# Altium PCB Stabilizer.PCBDOC (part 5 of 8) (continued)
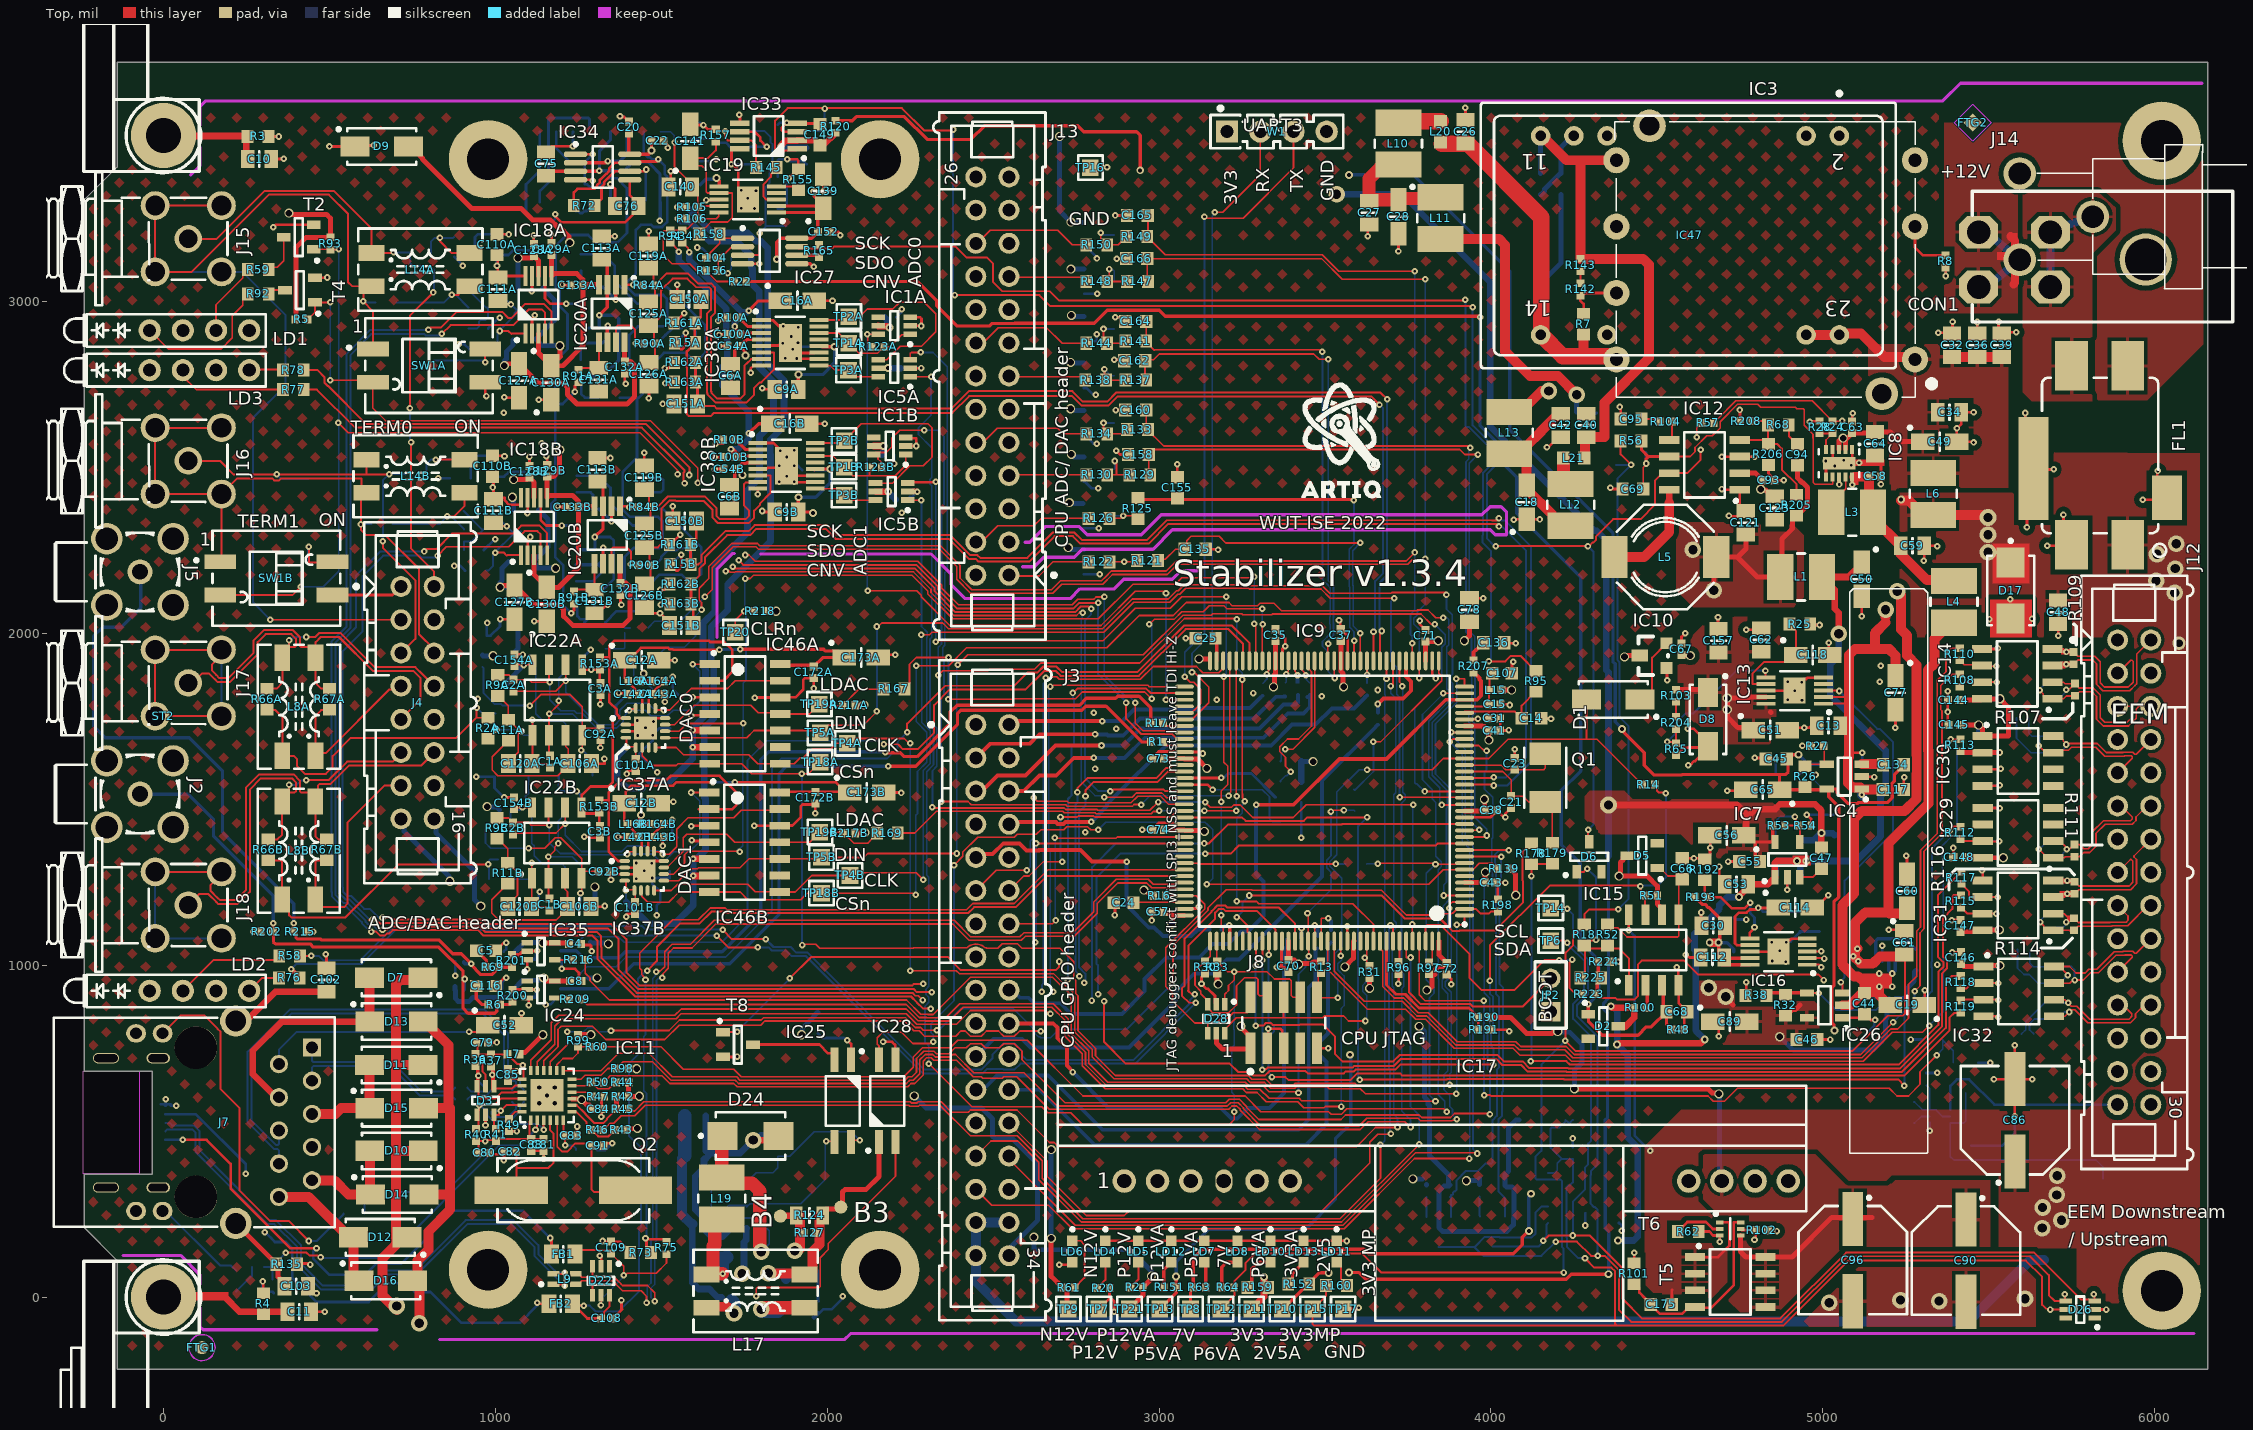
[diagram p0: Top view]
## Nets (pads, with @x,y where several pads share a name; then routed paths per layer and width w, separated by ;. In a path a pad name is that pad's centre, name@x,y a point inside that pad or via, vN(x,y) a via of type N, cw(c..) or ccw(c..) an arc to the next point about the centre after c; other vN are vias at no path point) (continued)
  L3 w10: v1(1495,3243) 1494.15,3242.15 1494.15,3219.78 1508.13,3205.8 1768.14,3205.8 1789.13,3184.81 1800.14,3184.81 1801.49,3186.16 1804.22,3186.16 1814.85,3196.78 1917.69,3196.78 1959.19,3155.28 v1(1959.19,3105)
  Bot w10: RN4.5@1346.86,3511.38 1346.86,3486.43 1313.59,3453.16 v1(1313.59,3393.92) 1388.64,3393.92 1414.9,3420.19 1460.06,3420.19 1470.65,3409.6 1496.03,3384.22 1496.03,3299.62 RN4.1@1496.86,3298.79 1496.86,3247.48 1495,3245.62 v1(1495,3243)
NetC76_2: C76.2 IC34.5 RN3.3 RN3.5 | length 758
  Top w8: v1(1180,3263) 1180,3257.45 1198.35,3239.1 1391.58,3239.1 1431.32,3278.83 C76.2@1431.32,3287.53 1431.32,3293.67 1405.13,3319.85 IC34.5@1405.13,3366.7
  Bot w8: RN3.5@1133.89,3511.38 1133.89,3394.09 1092.46,3352.67 1092.46,3262.39 1111.85,3243 1174.24,3243 1180,3248.76 v1(1180,3263)
NetC82_2: C82.2 IC11.4 Q2.2 | length 374.7
  Top w6: C82.2@1063.01,438.16 1063.01,389 ; Q2.2@1067.92,316.51 1063.01,321.41 1063.01,389 ; IC11.4@1165.33,532.82 1165.33,502.67 1175.51,492.49 1175.51,405.25 1159.25,389 1063.01,389
NetC83_2: C83.2 C87.2 IC11.6 | length 120.9
  Top w6: IC11.6@1204.7,532.82 1204.7,491.59 C83.2@1210.28,486 v1(1210.28,457.28)
  L3 w6: v1@1209,456 v1(1210.28,457.28)
  Bot w6: v1(1210.28,457.28) 1232.72,457.28 1243.5,446.5 C87.2@1243.5,443
NetC91_2: C91.2 IC11.5 Q2.1 | length 494.3
  Top w6: IC11.5@1185.01,532.82 1186.51,531.33 1186.51,453.26 1201.61,438.16 1216.39,438.16 1241.23,463 1289.94,463 C91.2@1289.94,456 1289.94,324 1297.43,316.51 Q2.1@1441.93,316.51
NetC94_1: C94.1 R68.2 | length 69.1
  Top w6: R68.2@4897.5,2628 4897.5,2594.52 4922.02,2570 C94.1@4923,2570
NetC95_2: C95.2 R104.1 | length 58.1
  Top w6: C95.2@4453.52,2645.33 4500.79,2645.33 R104.1@4508.46,2637.65
NetC102_1: C102.1 C103.1 J7.S1 J7.S2 R135.2 | length 1173.1
  Top w15: J7.S2@217.87,221.99 345.5,94.36 345.5,61.06 C103.1@373.57,33
  Top w20: J7.S1@217.87,831.84 249.27,831.84 337.44,920.01 C102.1@491.1,920.01
  L3 w15: J7.S2@217.87,221.99 J7.S1@217.87,831.84
NetC104_1: C104.1 IC27.1 R158.1 | length 162.6
  Top w5: C104.1@1635.59,3130.9 1635.59,3134.77 1676.39,3175.57 R158.1@1676.39,3202.85 1688.76,3190.48 IC27.1@1745.05,3190.48
NetC104_2: C104.2 IC27.2 R156.2 | length 126.9
  Top w5: R156.2@1671.81,3092.43 1671.81,3130.11 C104.2@1671.02,3130.9 1684.87,3144.75 1692.43,3144.75 1712.57,3164.89 IC27.2@1745.05,3164.89
NetC105_2: C105.2 IC17.2 L17.3 | length 1694.5
  Top w40: v5@1803.26,-31.78 L17.3@1931.64,-31.78
  L3 w40: v5@1801,-37.09 1902.91,-139 2617.33,-139 2995.19,238.86 IC17.2@2995.19,349.57
  Bot w40: v5(1800.91,-37) 1800.91,-42.99 1851.31,-42.99 1853.94,-40.35 C105.2@1853.94,-38
NetC106A_2: C106A.2 IC22A.3 R11A.2 | length 452.4
  Top w5: R11A.2@1039.21,1676.49 990.61,1627.89 990.61,1587.96 1007.41,1571.16 1188.28,1571.16 1216.88,1599.76 1219.33,1599.76 C106A.2@1219.33,1607.21 1219.33,1651.62 1211.85,1659.1 IC22A.3@1211.85,1692.84
NetC106B_2: C106B.2 IC22B.3 R11B.2 | length 455
  Top w5: R11B.2@1037.44,1245.87 988.84,1197.27 988.84,1157.34 1009.85,1136.33 1183.33,1136.33 1217.56,1170.56 C106B.2@1217.56,1176.59 1217.56,1221 1210.08,1228.48 IC22B.3@1210.08,1262.21
NetC109_2: C109.2 D22.5 FB1.1 R75.1 | length 540.7
  Top w5: FB1.1@1239.92,129.41 1252.49,141.98 1321.65,141.98 1322.42,141.2 1343.68,141.2 C109.2@1350.93,133.95 ; v1(1318.18,-24.95) 1318.59,-24.54 1318.59,17.49 D22.5@1318.18,17.9 ; C109.2@1348.48,131.5 1387.25,92.73 v1(1387.25,65.78) 1391.22,65.78 1397.12,71.67 1484.78,71.67 1515.55,102.44 R75.1@1515.55,129.53 R75.1@1511.13,133.95
  Bot w5: v1(1318.18,-24.95) 1318.18,-7.05 1387.25,62.01 v1(1387.25,65.78)
NetC110A_2: C110A.2 C111A.2 D19A.3 IC18A.10 R81A.2 | length 307
  Top w8: C110A.2@1004.92,3139.85 1007.69,3137.08 C111A.2@1007.69,3072.14 1012.22,3076.67 IC18A.10@1090.76,3076.67
  Bot w8: R81A.2@1004.92,3139.85 1039.63,3139.85 1053.73,3153.95 1101.12,3153.95 1105.63,3149.45 D19A.3@1105.63,3130.41 ; v1(1004.93,3107.38) R81A.2@1004.93,3133.16
NetC110B_2: C110B.2 C111B.2 D19B.3 IC18B.10 R81B.2 | length 342.4
  Top w8: C110B.2@991.76,2471.95 994.52,2469.18 C111B.2@994.52,2404.24 999.06,2408.77 1028.44,2408.77 1028.44,2400.51 1041.79,2387.17 1077.59,2387.17 IC18B.10@1077.59,2408.77
  Bot w8: v1(991.76,2439.47) R81B.2@991.76,2465.26 ; R81B.2@991.76,2471.95 1026.47,2471.95 1040.57,2486.05 1087.95,2486.05 1092.46,2481.54 D19B.3@1092.46,2462.51
NetC111A_1: C111A.1 C124A.2 D20A.3 IC18A.1 R88A.2 | length 417.5
  Top w6: C111A.1@1007.69,3001.27 1018.06,2990.9 v1(1047.06,2990.9) ; v1(1013.17,2910.9) 1039.26,2910.9 1047.99,2902.17 1049.27,2903.44 IC18A.1@1090.76,2903.44
  Bot w6: R88A.2@980.13,3036.7 1001.26,3036.7 v1(1047.06,2990.9) 1063.66,2974.3 1067.46,2974.3 ; C124A.2@984.66,2856.79 992.34,2856.79 1005.85,2870.3 1005.85,2903.58 v1(1013.17,2910.9) 1013.17,2912.99 1057,2956.83 1057,2963.84 1067.46,2974.3 ; D20A.3@1090.05,2974.3 1067.46,2974.3
NetC111B_1: C111B.1 C124B.2 D20B.3 IC18B.1 R88B.2 | length 416
  Top w6: C111B.1@994.52,2333.37 1004.89,2323 v1(1033.89,2323) ; v1(1000,2243) 1026.09,2243 1034.83,2234.27 1036.1,2235.54 IC18B.1@1077.59,2235.54
  Bot w6: R88B.2@966.97,2368.8 988.09,2368.8 v1(1033.89,2323) 1050.91,2305.99 ; C124B.2@971.5,2188.89 979.17,2188.89 992.68,2202.4 992.68,2235.68 v1(1000,2243) 1000,2245.09 1050.91,2296 1050.91,2305.99 ; D20B.3@1076.89,2306.4 1061.31,2306.4 1060.89,2305.99 1050.91,2305.99
NetC113A_2: C113A.2 IC20A.3 R85A.2 RN2A.1 RN2A.4 | length 716.5
  Top w10: v1(1313.17,2958.16) 1337.55,2982.55 IC20A.3@1337.55,3050.74 1337.55,3108.6 C113A.2@1320.82,3125.33
  Bot w8: RN2A.1@1256.84,2774.9 1258.76,2772.98 1258.76,2721.06 1269.85,2709.97 R85A.2@1311.96,2709.97
  Bot w10: RN2A.1@1256.84,2774.9 1296.13,2774.9 1303.74,2782.51 1331.51,2782.51 1372.05,2823.05 1372.05,2947.83 1361.71,2958.16 v1(1313.17,2958.16) 1313.17,2919.83 1261.9,2919.83 RN2A.4@1256.84,2924.9
NetC113B_2: C113B.2 IC20B.3 R85B.2 RN2B.1 RN2B.4 | length 719.8
  Top w10: v1(1300,2290.26) 1324.38,2314.65 IC20B.3@1324.38,2382.84 1324.38,2440.7 C113B.2@1307.65,2457.43
  Bot w8: RN2B.1@1243.68,2106.99 1247.21,2103.46 1247.21,2051.54 1256.69,2042.07 R85B.2@1277.38,2042.07 ; R85B.2@1268.5,2031.23 1268.5,2033.2 R85B.2@1277.38,2042.07 ; v1(1300,2290.26) 1345.74,2290.26 1357,2279 1357,2164 1298.79,2105.79 1298.79,2060.54 1295.84,2060.54 R85B.2@1277.38,2042.07
  Bot w10: RN2B.4@1243.68,2256.99 1248.74,2251.93 1300,2251.93 v1(1300,2290.26)
NetC114_1: C114.1 IC16.7 R210.2 R211.2 | length 456.7
  Top w8: IC16.7@4779.77,1060.47 4740.81,1060.47 4735.36,1065.92 4735.36,1146.92 4746.69,1158.25 4770.41,1158.25 4780.17,1168 v1@4805.1,1168 ; v1(4805.1,1172.46) 4864.45,1172.46 C114.1@4865.74,1173.74
  Bot w8: v1(4805.1,1172.46) 4808.26,1172.46 4819.22,1161.5 R210.2@4931.64,1161.5 R211.2@4989.92,1161.5
NetC116_2: C116.2 R6.1 | length 81.3
  Top w10: C116.2@942.56,937.38 942.56,898.66 959.87,881.36 R6.1@978,881.36
NetC118_1: C118.1 IC13.7 R25.2 | length 327.9
  Top w6: IC13.7@4828.14,1846.91 4788.34,1846.91 4788.34,1879.05 4822.41,1913.12 4897.27,1913.12 C118.1@4918.88,1934.72 4918.88,2007.74 4915.36,2011.25 4913.78,2011.25 4899.07,2025.97 R25.2@4899.07,2027.94
NetC120A_1: C120A.1 R9A.2 R11A.1 | length 243
  Top w5: R9A.2@1007.32,1811.34 1009.29,1811.34 1039.21,1781.41 R11A.1@1039.21,1739.49 1068.74,1709.96 1068.74,1641.29 1039.21,1611.77 C120A.1@1039.21,1607.2
NetC120B_1: C120B.1 R9B.2 R11B.1 | length 243
  Top w5: R9B.2@1005.55,1380.71 1007.52,1380.71 1037.44,1350.79 R11B.1@1037.44,1308.86 1066.97,1279.34 1066.97,1210.67 1037.44,1181.14 C120B.1@1037.44,1176.58
NetC131A_2: C131A.2 IC20A.5 R91A.2 | length 142.5
  Top w6: R91A.2@1249.96,2793.8 1255.47,2799.31 C131A.2@1311.96,2799.31 IC20A.5@1311.96,2877.51
NetC131B_2: C131B.2 IC20B.5 R91B.2 | length 142.5
  Top w6: R91B.2@1236.79,2125.9 1242.3,2131.4 C131B.2@1298.79,2131.4 IC20B.5@1298.79,2209.61
NetC134_1: C134.1 IC4.3 | length 64.3
  Top w30: IC4.3@5117.55,1605.67 5179.47,1605.67 C134.1@5181.13,1604
NetC136_1: C136.1 R207.1 | length 65.5
  Top w11.73: R207.1@3947.81,1918.59 3947.81,1943.09 3954.68,1949.96 3955.66,1949.96 3976.38,1970.67 C136.1@3976.38,1971.66
NetC141_1: C141.1 IC19.7 R157.2 R158.2 | length 517.8
  Top w5: C141.1@1587.29,3431.82 1587.29,3430.85 1609.39,3408.74 1622.36,3408.74 1635.07,3396.04 1635.07,3330.56 1638.73,3326.9 IC19.7@1674.44,3326.9 1713.72,3326.9 1713.72,3252.83 1700.22,3239.34 1649.89,3239.34 1630.59,3220.03 1628.62,3220.03 1613.4,3204.81 R158.2@1613.4,3202.85
  Top w6: C141.1@1587.29,3431.82 1640.63,3431.82 1664.14,3455.33 R157.2@1664.14,3481.5
NetC149_2: C149.2 IC33.2 IC42.2 R120.2 | length 274.3
  Top w20: v1(1860.24,3467.68) 1860.24,3469.65 1875.04,3484.46 1909.05,3484.46 IC33.2@1910.19,3485.6 1962.96,3485.6 C149.2@1978.11,3470.44 1987.79,3470.44 R120.2@2025.15,3507.8
  Bot w20: v1(1860.24,3467.68) 1864.92,3463 IC42.2@1937.31,3463
NetC153A_1: C153A.1 R172A.1 | length 122.1
  Bot w5: R172A.1@1331.65,1953.5 1386.68,1953.5 1389.61,1956.43 1389.61,2001.93 C153A.1@1389.68,2002 ; C153A.1@1389.44,2015.96 C153A.1@1406.77,2015.96
NetC153B_1: C153B.1 R172B.1 | length 125.8
  Bot w5: C153B.1@1426.62,1919.9 1417.17,1910.45 1417.17,1871.11 1430.26,1858.02 1440.26,1848.02 1457.21,1848.02 1472.43,1832.81 R172B.1@1472.43,1830.84
NetC156_1: C156.1 L17.2 R19.2 R29.2 R166.2 T7.3 | length 749
  Top w30: L17.2@1636.36,-31.78 1638.93,-29.22 1699.22,-29.22 v5(1719,-49)
  Bot w20: T7.3@1593.72,219.73 1593.72,43.26 1612.49,24.49 1644.99,24.49 1656.7,12.77 1656.7,12.05 1669.34,-0.58 C156.1@1682.13,-0.58
  Bot w30: R166.2@1562.76,417.36 1562.76,248.22 1591.24,219.73 T7.3@1593.72,219.73
  Bot w40: R166.2@1570.63,425.24 R19.2@1570.63,485.56 R29.2@1570.63,546.49 ; C156.1@1712.17,-11.35 1719,-18.18 v5(1719,-49)
NetC156_2: C156.2 L17.1 L19.2 | length 305.4
  Top w40: L17.1@1620.61,68.22 L17.1@1636.36,68.22 1638.73,70.58 L17.1@1654.48,70.58 ; L19.2@1682,234.01 1680.43,234.01 1661.06,214.64 1661.06,158.07 1655.73,152.74 1655.73,71.84 L17.1@1654.48,70.58 ; v1(1684.77,70.58) L17.1@1654.48,70.58
  Bot w40: v1(1684.77,70.58) 1684.77,114.89 C156.2@1682.13,117.53 1694.93,117.53 C156.2@1697.57,120.16
NetC167_2: C167.2 IC27.3 IC33.7 IC42.7 R145.2 R219.2 | length 851.4
  Top w6: v1(1692.6,3513) 1692.6,3492.93 1699.93,3485.6 IC33.7@1736.97,3485.6 1770.95,3485.6 1785.02,3471.52 R145.2@1785.02,3403 ; IC27.3@1745.05,3139.3 1794.47,3139.3 1796.01,3140.83 v1(1796,3206)
  Bot w6: R219.2@1666.04,3517.65 1670.69,3513 v1(1692.6,3513) IC42.7@1764.09,3513 1811.59,3513 1828.92,3495.67 1828.92,3479.37 1835.32,3472.97 1835.32,3422.52 1825.89,3413.09 1825.89,3356.12 1814.55,3344.78 1814.55,3224.55 ; v1(1796,3206) 1814.55,3224.55 ; C167.2@1877.7,3226.95 1816.95,3226.95 1814.55,3224.55
NetC168_2: C168.2 IC33.6 IC42.6 R219.1 | length 346.5
  Top w8: IC33.6@1736.97,3511.19 1781.64,3511.19 1798.44,3494.38 1798.44,3484.62 v1(1817.48,3465.58)
  Bot w8: C168.2@1588.27,3489.73 1656.16,3489.73 1665.25,3480.64 R219.1@1666.04,3480.64 1668.33,3478.34 1695.2,3478.34 1710.55,3463 IC42.6@1764.09,3463 1766.66,3465.58 v1(1817.48,3465.58)
NetC170_1: C170.1 IC44.5 | length 200.1
  Bot w10: IC44.5@5159.47,1010.45 5159.47,1073.93 5165.33,1079.79 5243.02,1079.79 5244.45,1078.35 5248.39,1078.35 5279.27,1047.47 C170.1@5280.25,1047.47
NetC175_1: C175.1 R101.2 T5.4 T6.6 | length 591.6
  Top w8: R101.2@4431.48,38.91 4433.45,38.91 4447.17,25.19 4447.17,13.11 4466.32,-6.04 4467.3,-6.04 4482,-20.74 4482,-22.71 4509.7,-50.41 4575.13,-50.41 4595.94,-29.6 T5.4@4614.65,-29.6 ; T5.4@4614.65,-32.31 4663.49,-32.31 4731.83,36.02 4731.83,224.95 T6.6@4752.05,224.95
NetD1_1: D1.1 IC10.2 | length 208.2
  Top w6: D1.1@4448.98,1800.24 4458.03,1800.24 4485.55,1827.75 4485.55,1926.77 IC10.2@4528.81,1970.04
NetD6_1: D6.1 IC15.1 R18.1 R52.2 R225.1 | length 641.1
  Top w6: D6.1@4258.18,1281.39 4279.98,1281.39 4289.53,1290.95 v1(4289.84,1290.95) ; R225.1@4269,961.94 4283.09,976.02 R18.1@4283.09,1050.85 ; v1(4316.4,1076.01) 4314.75,1074.36 4295.79,1074.36 R18.1@4281.07,1059.64 4281.07,1052.82 4283.04,1050.85 4342.36,1050.85 R52.2@4351.15,1059.64 4359.94,1050.85 4385.1,1050.85 4415.28,1020.67 IC15.1@4415.28,939.65
  Bot w6: v1(4289.84,1290.95) 4316.4,1264.39 v1(4316.4,1076.01)
NetD21A_3: D21A.3 L8A.1 R2A.2 R66A.1 | length 1011.4
  Top w5: 949.62,1745.6 R2A.2@977.79,1745.6
  Top w6: R66A.1@311.22,1769.18 311.4,1769 336.69,1769 358.35,1747.34 L8A.1@358.35,1631.04 392.41,1631.04 402.5,1620.96 402.5,1600.06 426.33,1576.22 489,1576.22 509.61,1596.82 509.61,1629.71 564.94,1685.04 882.12,1685.04 942.68,1745.6 ; v1(943.91,1775.66) 943.91,1746.83 942.68,1745.6 ; 949.62,1745.6 942.68,1745.6
  Bot w6: v1(943.91,1775.66) 961.8,1757.77 D21A.3@1001,1757.77
NetD21B_3: D21B.3 L8B.1 R2B.2 R66B.1 | length 968.5
  Top w6: R66B.1@315.63,1315.98 354.15,1315.98 357.67,1312.46 L8B.1@357.67,1197.52 378.29,1176.89 378.29,1150.86 385.33,1143.83 548.43,1143.83 708.6,1304 v1(979.17,1304)
  Bot w6: R2B.2@980.36,1259.38 981,1260.02 981,1315.58 984.21,1318.79 D21B.3@1007.92,1318.79
NetD23_3: D23.3 R121.2 R122.1 | length 116.6
  Top w5: R122.1@2850.16,2215.17 v1(2895.43,2215.17) 2926.93,2215.17 R121.2@2932.83,2209.27
  Bot w5: D23.3@2863.94,2215.17 v1(2895.43,2215.17)
NetD25_3: D25.3 R125.2 R126.1 | length 123.1
  Top w5: R126.1@2850.16,2346.21 2884.61,2346.21 v1(2892.48,2354.08) 2919.05,2354.08 R125.2@2932.83,2340.31
  Bot w5: D25.3@2860.98,2354.08 v1(2892.48,2354.08)
NetD27_3: D27.3 R129.2 R130.1 | length 137
  Top w5: R130.1@2843.43,2477.33 2871.81,2477.33 ; v1(2866.89,2519.22) 2871.81,2514.3 2871.81,2477.33 ; R129.2@2910.2,2477.33 2871.81,2477.33
  Bot w5: D27.3@2863.94,2494.1 2866.89,2497.06 v1(2866.89,2519.22)
NetD29_3: D29.3 R133.2 R134.1 | length 133.9
  Top w5: v1(2832.44,2633.87) 2832.44,2612.08 R134.1@2843.43,2601.09 2890.77,2601.09 R133.2@2903.31,2613.64
  Bot w5: v1(2832.44,2633.87) D29.3@2863.94,2633.87
NetD31_3: D31.3 R137.2 R138.1 | length 130.2
  Top w5: v1(2835.39,2796.17) 2835.39,2767.72 R138.1@2840.31,2762.8 R137.2@2898.39,2762.8
  Bot w5: v1(2835.39,2796.17) 2855.08,2776.48 D31.3@2863.94,2776.48
NetD33_3: D33.3 R141.2 R144.1 | length 138.1
  Top w5: v1(2832.44,2917.05) 2832.44,2884.86 R144.1@2843.27,2874.03 R141.2@2901.34,2874.03
  Bot w5: v1(2832.44,2917.05) D33.3@2864.92,2917.05
NetD34_3: D34.3 R149.2 R150.1 | length 155.5
  Top w5: v1(2824.57,3206.86) 2824.57,3189.31 R150.1@2843.43,3170.44 2876.73,3170.44 R149.2@2901.34,3195.05
  Bot w5: v1(2824.57,3206.86) 2831.46,3199.97 D34.3@2864.92,3199.97
NetD35_3: D35.3 R147.2 R148.1 | length 148.8
  Top w5: v1(2850.16,3097.61) 2850.16,3066.93 R148.1@2843.43,3060.21 R147.2@2903.31,3060.21
  Bot w5: v1(2850.16,3097.61) 2859.13,3097.61 2864.92,3091.82 D35.3@2864.92,3060.21
NetFB1_2: FB1.2 J9.1 | length 1567.6
  Top w8: v1(58.43,473.84) 129.79,473.84 202.52,401.11 202.52,326.98 382.65,146.85 v1(461.08,146.85) ; v1(1165.33,178) 1169.06,174.27 FB1.2@1169.06,129.41
  Bot w8: J9.1@5.67,473.96 5.79,473.84 v1(58.43,473.84) ; v1(461.08,146.85) 451.54,137.32 451.54,115.38 499.92,67 607.31,67 641.26,100.95 716.85,100.95 875.9,260 1083.33,260 v1(1165.33,178)
NetFB2_2: FB2.2 J9.4 | length 1634.8
  Top w8: v1(1126,-17) 1126,-19.3 1126.85,-20.15 FB2.2@1162.05,-20.15
  L3 w8: v1(248,371.35) 248,276.64 275.66,248.99 275.66,225.62 v1(305.5,195.77)
  Bot w8: J9.4@5.67,550.72 97.5,550.72 248,400.21 v1(248,371.35) ; v1(305.5,195.77) 306.42,195.77 324.24,177.96 324.24,177.41 335.74,165.9 369.16,165.9 388.21,146.85 388,146.65 388,58.19 461.08,-14.88 618.43,-14.88 674.68,41.37 731.32,41.37 757.37,15.32 804.68,15.32 897.46,-77.46 1074.49,-77.46 1126,-25.95 v1(1126,-17)
NetIC1A_1: IC1A.1 IC38A.14 R123A.1 TP1A.1 | length 324
  Top w5: IC38A.14@1975.61,2904.8 2034.37,2904.8 TP1A.1@2065,2874.17 2095.71,2843.46 2151.62,2843.46 2161.62,2853.46 2162.6,2853.46 2171.51,2862.38 R123A.1@2171.51,2863.17 2188.44,2863.17 2224.58,2899.3 2247.85,2899.3 IC1A.1@2249.82,2901.27
NetIC1B_1: IC1B.1 IC38B.14 R123B.1 TP1B.1 | length 368.2
  Top w5: IC38B.14@1963.92,2534.28 2017.53,2534.28 TP1B.1@2051.01,2500.8 2076.98,2474.83 2125.59,2474.83 ; R123B.1@2127.27,2499.86 2127.27,2476.51 2125.59,2474.83 ; IC1B.1@2236.23,2538.78 2236.23,2506.23 2204.83,2474.83 2125.59,2474.83
NetIC2_2: IC2.2 R17.1 | length 2476.5
  Top w10: v1(2174.75,1641.54) 2176.03,1640.25 2220.45,1640.25 2231.98,1628.73 2270.74,1628.73 2370.98,1728.96 2370.98,1763.28 2391.1,1783.4 2760.32,1783.4 2780.91,1803.99 2868.86,1803.99 2875.37,1810.51 2939.42,1810.51 2974.78,1775.15 R17.1@2974.78,1729.63
  Bot w10: IC2.2@1196.31,1043.76 1243.8,1043.76 1265.1,1022.46 1373.8,1022.46 1391.5,1040.16 1683.07,1040.16 1799.84,1156.94 1799.84,1618.83 1824.19,1643.18 2173.1,1643.18 v1(2174.75,1641.54)
NetIC2_4: IC2.4 IC35.2 R201.2 | length 119.8
  Top w10: R201.2@1049.98,1031.31 1071.38,1031.31 1078.99,1038.92 1093.13,1038.92 IC35.2@1096,1041.79 1096.99,1042.78 1124.97,1042.78 v1(1125.96,1043.76)
  Bot w10: IC2.4@1109.69,1018.17 1120.52,1018.17 1123.39,1021.04 1123.39,1038.57 1125.96,1041.14 v1(1125.96,1043.76)
NetIC3_2: IC3.2 R8.2 | length 164.6
  Top w8: IC3.2@5277.72,3225.36 5277.72,3162.43 5300.85,3139.3 R8.2@5369.84,3139.3
NetIC3_6: IC3.6 R7.1 R142.1 | length 168.8
  Top w8: R7.1@4279.29,2963.16 4279.29,2992.16 4269.45,3002 4269.45,3015.5 4274.79,3015.5 4284.65,3025.36 IC3.6@4377.72,3025.36
NetIC4_4: IC4.4 IC43.4 R26.1 R27.2 | length 241.6
  Top w5: v1(4978.93,1573.33) 4976.12,1576.14 4971.88,1576.14 4948.26,1599.76 R26.1@4946.29,1599.76 4952.2,1605.67 IC4.4@5011.25,1605.67 5004.56,1612.36 R27.2@5004.56,1666.69
  Bot w5: v1(4978.93,1573.33) 4978.93,1573.22 4973.34,1567.63 4973.34,1557.95 5000.42,1530.86 IC43.4@5011.25,1530.86
NetIC5A_4: IC5A.4 IC38A.16 TP2A.1 | length 651
  Top w5: IC38A.16@1975.61,2944.17 2054.72,2944.17 TP2A.1@2065,2954.45 2098.45,2954.45 2121,2977 2197.48,2977 2218.22,2997.73 2292.39,2997.73 2327,2963.12 2327,2908.57 2283.86,2865.43 2220.48,2865.43 2179.4,2824.36 IC5A.4@2153.36,2824.36
NetIC5A_6: IC5A.6 IC38A.9 TP3A.1 | length 185
  Top w5: IC38A.9@1982.1,2806.27 2009.76,2806.27 2022.85,2793.19 TP3A.1@2064.03,2793.19 2084.04,2773.17 IC5A.6@2153.36,2773.17
NetIC5B_4: IC5B.4 IC38B.16 TP2B.1 | length 672
  Top w5: IC38B.16@1963.92,2573.65 2044.14,2573.65 TP2B.1@2051.01,2580.52 2102.21,2631.72 2303.51,2631.72 2315.73,2619.5 2315.73,2530.81 2289.35,2504.43 2248.57,2504.43 2196.73,2452.59 IC5B.4@2145.77,2452.59
NetIC5B_6: IC5B.6 IC38B.9 TP3B.1 | length 200.6
  Top w5: IC38B.9@1959.39,2435.46 IC38B.9@1963.92,2435.46 ; IC38B.9@1963.92,2435.85 2031.31,2435.85 TP3B.1@2051.01,2416.15 2065.76,2401.41 IC5B.6@2145.77,2401.41
NetIC7_4: IC7.4 IC45.4 R53.1 R54.2 | length 248.2
  Top w5: v1(4915.95,1447.83) 4915.95,1443.86 4918.87,1440.94 R54.2@4918.87,1429.54 ; R54.2@4921,1420.63 4918.87,1422.76 R54.2@4918.87,1429.54 ; R54.2@4927.79,1420.63 R54.2@4918.87,1429.54
  Top w6: R53.1@4886.05,1420.63 R54.2@4921,1420.63 ; R54.2@4927.79,1420.63 4930.56,1417.85 IC7.4@4930.56,1371.38
  Bot w5: IC45.4@4857.71,1376.93 4857.71,1433.83 4871.71,1447.83 v1(4915.95,1447.83)
NetIC8_5: IC8.5 R24.1 R28.2 | length 95.9
  Top w5: R28.2@4989.92,2602.19 R24.1@5029.29,2602.19 5009.61,2582.51 IC8.5@5009.61,2553.77
NetIC9_37: IC9.37 R176.1 | length 519.4
  Top w5: v1(3645.79,1672.76) 3667.29,1672.76 3851.28,1856.75 3851.28,1871.12 3842.64,1879.75 IC9.37@3842.64,1916.94
  Bot w5: R176.1@3586,1530.5 R176.1@3589,1527.5 3589.45,1527.04 3645.79,1583.38 v1(3645.79,1672.76)
NetIC9_42: IC9.42 R136.1 | length 237.5
  Top w11.73: v1(3659,1787) 3675.99,1803.99 3735.55,1803.99 3758.52,1826.96 3758.52,1855.28 3744.22,1869.58 IC9.42@3744.22,1916.94
  Bot w11.73: R136.1@3659,1761.5 v1(3659,1787)
NetIC9_48: IC9.48 R12.2 | length 67
  Top w5: IC9.48@3626.11,1916.94 3626.3,1916.74 3626.3,1875.8 v1(3626.5,1875.6)
  Bot w5: v1(3626.5,1875.6) 3626.5,1850.47 R12.2@3626.78,1850.19
NetIC9_58: IC9.58 R186.1 | length 66.7
  Top w5: IC9.58@3429.26,1916.94 3429.26,1892.45 3431.96,1889.75 3431.96,1888.04 v1@3439.19,1880.81
  Bot w5: v1@3439,1871 3439.51,1871 3444.3,1866.22 3444.3,1860.42 3453.21,1851.5 R186.1@3454,1851.5
  other v1: 3442,1873
NetIC9_59: IC9.59 R187.1 | length 61.3
  Top w5: IC9.59@3407,1908 3409.62,1905.38 3409.62,1885.38 3412.24,1882.76 3412.24,1881.74 3417,1876.97 v1(3417,1873)
  Bot w5: v1(3417,1873) 3417,1852.41 R187.1@3418.12,1851.29
NetIC9_60: IC9.60 R188.1 | length 68.9
  Top w5: v1(3383,1876) 3383,1879.97 3388.95,1885.93 3388.95,1916 IC9.60@3389.89,1916.94
  Bot w5: R188.1@3380.65,1851.29 3383,1853.64 3383,1874 v1@3384,1875
NetIC9_63: IC9.63 R189.1 | length 76.5
  Top w5: v1(3324,1877) 3324,1880.97 3329.53,1886.5 3329.53,1915.63 IC9.63@3330.83,1916.94
  Bot w5: R189.1@3312,1849.5 3312.79,1849.5 3321.7,1858.42 3321.7,1859.21 3325.08,1862.59 3325.08,1876.08 v1@3326,1877
NetIC9_100: IC9.100 R177.2 | length 487.7
  Top w5: IC9.100@3075.91,1307.68 3116.1,1307.68 3118.78,1305 v1(3532,1305)
  Bot w5: v1(3532,1305) R177.2@3562.5,1305
NetIC9_112: IC9.112 R185.2 | length 77.6
  Top w11.73: v1(3211.25,1120.57) 3212.72,1119.1 IC9.112@3212.72,1072.45
  Bot w11.73: R185.2@3188.39,1107.29 3188.39,1108.07 3193.94,1113.63 3194.73,1113.63 3200.14,1119.04 3209.73,1119.04 v1(3211.25,1120.57)
NetIC9_115: IC9.115 R178.2 | length 1268.7
  Top w6: v1(3234,1145) 3236.62,1142.38 3243.32,1142.38 3266,1119.71 3266,1101.51 3271.78,1095.73 IC9.115@3271.78,1072.45 ; v1(3271.78,1210) 3670.83,1210 3740.19,1140.64 3846.38,1140.64 3883.28,1103.74 3904.73,1103.74 3906.2,1105.2 4012.92,1105.2 4096.22,1188.5 4096.22,1254.19 4094.31,1256.09 4094.31,1339.81 4105.31,1350.81 4105.31,1352.78 4120.03,1367.5 R178.2@4122,1367.5
  Bot w6: v1(3234,1145) 3251.97,1162.97 3251.97,1190.19 v1(3271.78,1210)
NetIC9_123: IC9.123 R128.1 | length 95.3
  Top w5: v1(3429.06,1111.26) 3429.16,1111.16 3429.16,1072.54 IC9.123@3429.26,1072.45
  Bot w5: R128.1@3423.62,1079 3423.62,1101.85 3429.06,1107.29 v1(3429.06,1111.26)
  Bot w11.73: R128.1@3428.54,1086.87 v1@3428.54,1108.75
NetIC9_125: IC9.125 R131.2 | length 86.7
  Top w5: IC9.125@3468.63,1072.45 v1(3468.63,1120.57)
  Bot w11.73: v1(3468.63,1120.57) v1@3471.57,1117.63 ; v1@3470.1,1119.1 3476.72,1112.47 R131.2@3476.72,1087.4
NetIC9_126: IC9.126 R132.2 | length 129
  Top w5: IC9.126@3488.31,1072.45 3488.31,1140.55 3489.65,1141.89 v1(3509.48,1141.89)
  Bot w11.73: v1(3509.48,1141.89) 3518.36,1133 R132.2@3518.36,1106.42
NetIC9_138: IC9.138 JP2.2 R96.1 | length 648.6
  Top w6: IC9.138@3724.53,1072.45 3724.53,1013.17 R96.1@3721.77,1010.41 3722.55,1010.41 3753.31,979.65 3753.31,917.77 3788.27,882.81 3938.29,882.81 3945.63,875.46 4095.33,875.46 JP2.2@4180,960.13
NetIC9_143: IC9.143 R97.1 | length 64.5
  Top w5: R97.1@3822.96,1007.98 IC9.143@3822.96,1072.45
NetIC11_7: IC11.7 R43.2 R46.2 | length 177.1
  Top w6: IC11.7@1230.29,558.41 1243.59,558.41 1273.95,528.05 1273.95,521 1306.09,488.86 1306.09,488.48 1310.77,483.8 1340.23,483.8 1360.74,504.31 R43.2@1360.74,507.17
NetIC11_8: IC11.8 R42.2 R45.2 | length 213.8
  Top w6: IC11.8@1230.29,578.1 1245.9,578.1 1271.67,552.33 1271.67,550.74 1297.26,525.16 1326.39,525.16 1336.84,535.61 1336.84,538.33 R45.2@1364.77,566.26
  Top w15: R45.2@1364.77,566.26 R42.2@1364.77,604.06
NetIC11_10: IC11.10 R47.1 | length 66.8
  Top w5: IC11.10@1230.29,617.47 1278.13,617.47 R47.1@1291.54,604.06
NetIC11_11: IC11.11 R44.2 R50.2 | length 154.5
  Top w5: IC11.11@1230.29,637.15 1280,637.15 R50.2@1289.85,647 1309.55,627.3 1341.38,627.3 1361.08,647 R44.2@1364.37,647
NetIC11_14: IC11.14 R60.2 R99.2 | length 152.1
  Top w5: IC11.14@1185.01,682.43 1185.01,699.94 1203.71,718.64 1232.43,718.64 1249.21,735.42 R99.2@1249.21,753.87 R60.2@1286.42,753.87
NetIC11_24: IC11.24 R49.1 | length 52.2
  Top w6: R49.1@1037.83,535.82 1060.42,558.41 IC11.24@1080.68,558.41
NetIC12_4: IC12.4 R68.1 R205.1 R206.1 R208.1 | length 408.5
  Top w6: IC12.4@4749.71,2582.53 R206.1@4829.36,2582.53 ; R208.1@4787.63,2639.2 4823.3,2639.2 R68.1@4834.5,2628 4834.5,2572.41 4836,2570.91 R206.1@4851.97,2570.91 ; R206.1@4836,2570.5 4862.29,2570.5 4876.49,2556.3 4876.49,2493.3 4921,2448.78 R205.1@4921,2417.5
NetIC12_5: IC12.5 R104.2 | length 58.6
  Top w6: IC12.5@4537.11,2582.53 4545.47,2590.89 R104.2@4545.47,2637.65
NetIC13_3: IC13.3 IC26.3 IC44.4 R223.2 R224.1 R225.2 | length 2223
  Top w6: R223.2@4314.09,912.76 4314.09,911.97 4322.5,903.55 4323.41,903.55 4326.02,900.94 4375.8,900.94 4380.72,896.02 4431.27,896.02 4443.24,907.99 4443.24,1002.72 4454.06,1013.55 4582.19,1013.55 4624.41,971.34 4987,971.34 v1(5003,955.34) ; IC13.3@5001.37,1827.22 5047.99,1827.22 v1(5048.98,1826.24) ; v1(5054.56,948.19) 5058.49,944.25 IC26.3@5058.49,916.69
  Top w10: R223.2@4314.09,912.76 4320.37,919.04 4320.37,923.77 4320.37,950.31 R225.2@4332,961.94 4326.48,967.45 4321.06,967.45 4322.89,969.28 R224.1@4322.89,1010.41
  L3 w6: v1(5003,955.34) 5047.4,955.34 v1(5054.56,948.19)
  Bot w6: v1(5048.98,1826.24) 5163.21,1712 5171,1712 5211.46,1671.54 5211.46,1400.61 5065.9,1255.05 5065.9,963.23 5054.56,951.89 v1(5054.56,948.19) 5057.16,945.58 5057.16,929.34 5086.29,900.22 IC44.4@5159.47,900.22
NetIC13_6: IC13.6 R65.2 R204.2 | length 495.1
  Top w6: v1(4530.53,1672.76) 4554.24,1672.76 R65.2@4558,1669 R204.2@4558,1711.48 ; v1(4827.03,1887.29) 4827.03,1867.7 IC13.6@4828.14,1866.59
  Bot w6: v1(4530.53,1672.76) 4559.48,1701.71 4559.48,1730.87 4587.17,1758.55 4610.13,1758.55 4738.87,1887.29 v1(4827.03,1887.29)
NetIC14_6: IC14.6 IC23.3 R110.2 | length 162.3
  Top w5: R110.2@5412.57,1918.29 5425.89,1904.98 5477.12,1904.98 IC14.6@5479.36,1902.74 5481.56,1900.54 v1(5523,1900.54)
  Bot w5: IC23.3@5479.36,1902.74 5520.8,1902.74 v1(5523,1900.54)
NetIC14_7: IC14.7 IC23.2 R108.2 | length 161.9
  Top w5: R108.2@5412.57,1839.55 5425.76,1852.74 IC14.7@5479.36,1852.74 5479.83,1853.21 v1(5524,1853.21)
  Bot w5: IC23.2@5479.36,1852.74 5523.53,1852.74 v1(5524,1853.21)
NetIC15_2: IC15.2 R100.1 | length 64
  Top w10: R100.1@4468.27,871.49 4471.07,874.28 IC15.2@4471.07,934.31
NetIC16_6: IC16.6 R192.2 R193.1 | length 324.4
  Top w8: R192.2@4644,1256.02 4644,1213.51 4651.53,1205.98 R193.1@4651.53,1205.19 4691.72,1205.19 4725.66,1171.25 4764.06,1171.25 v1(4781.32,1188.5) ; IC16.6@4779.77,1080.15 4779.77,1098.06 4794,1112.29 v1(4794,1114.37)
  Bot w8: v1(4781.32,1188.5) 4781.32,1156.19 4794,1143.51 v1(4794,1114.37)